# Altium PCB OpenRec.PcbDoc (part 4 of 4)
Units mm, origin at the board's own origin, x right, y up, seen from the top; angles counter-clockwise.
Board outline 70 x 95 mm, 10 copper layers (L1, L2, L3, L4 (PWR), L5 (PWR), L6 (PWR), L7 (PWR), L8, L9, L10), stack 1.632 mm thick; 1080 components, 708 nets, 3831 pads, 534 vias.
Unrouted connection lines stored in the file: 2907.
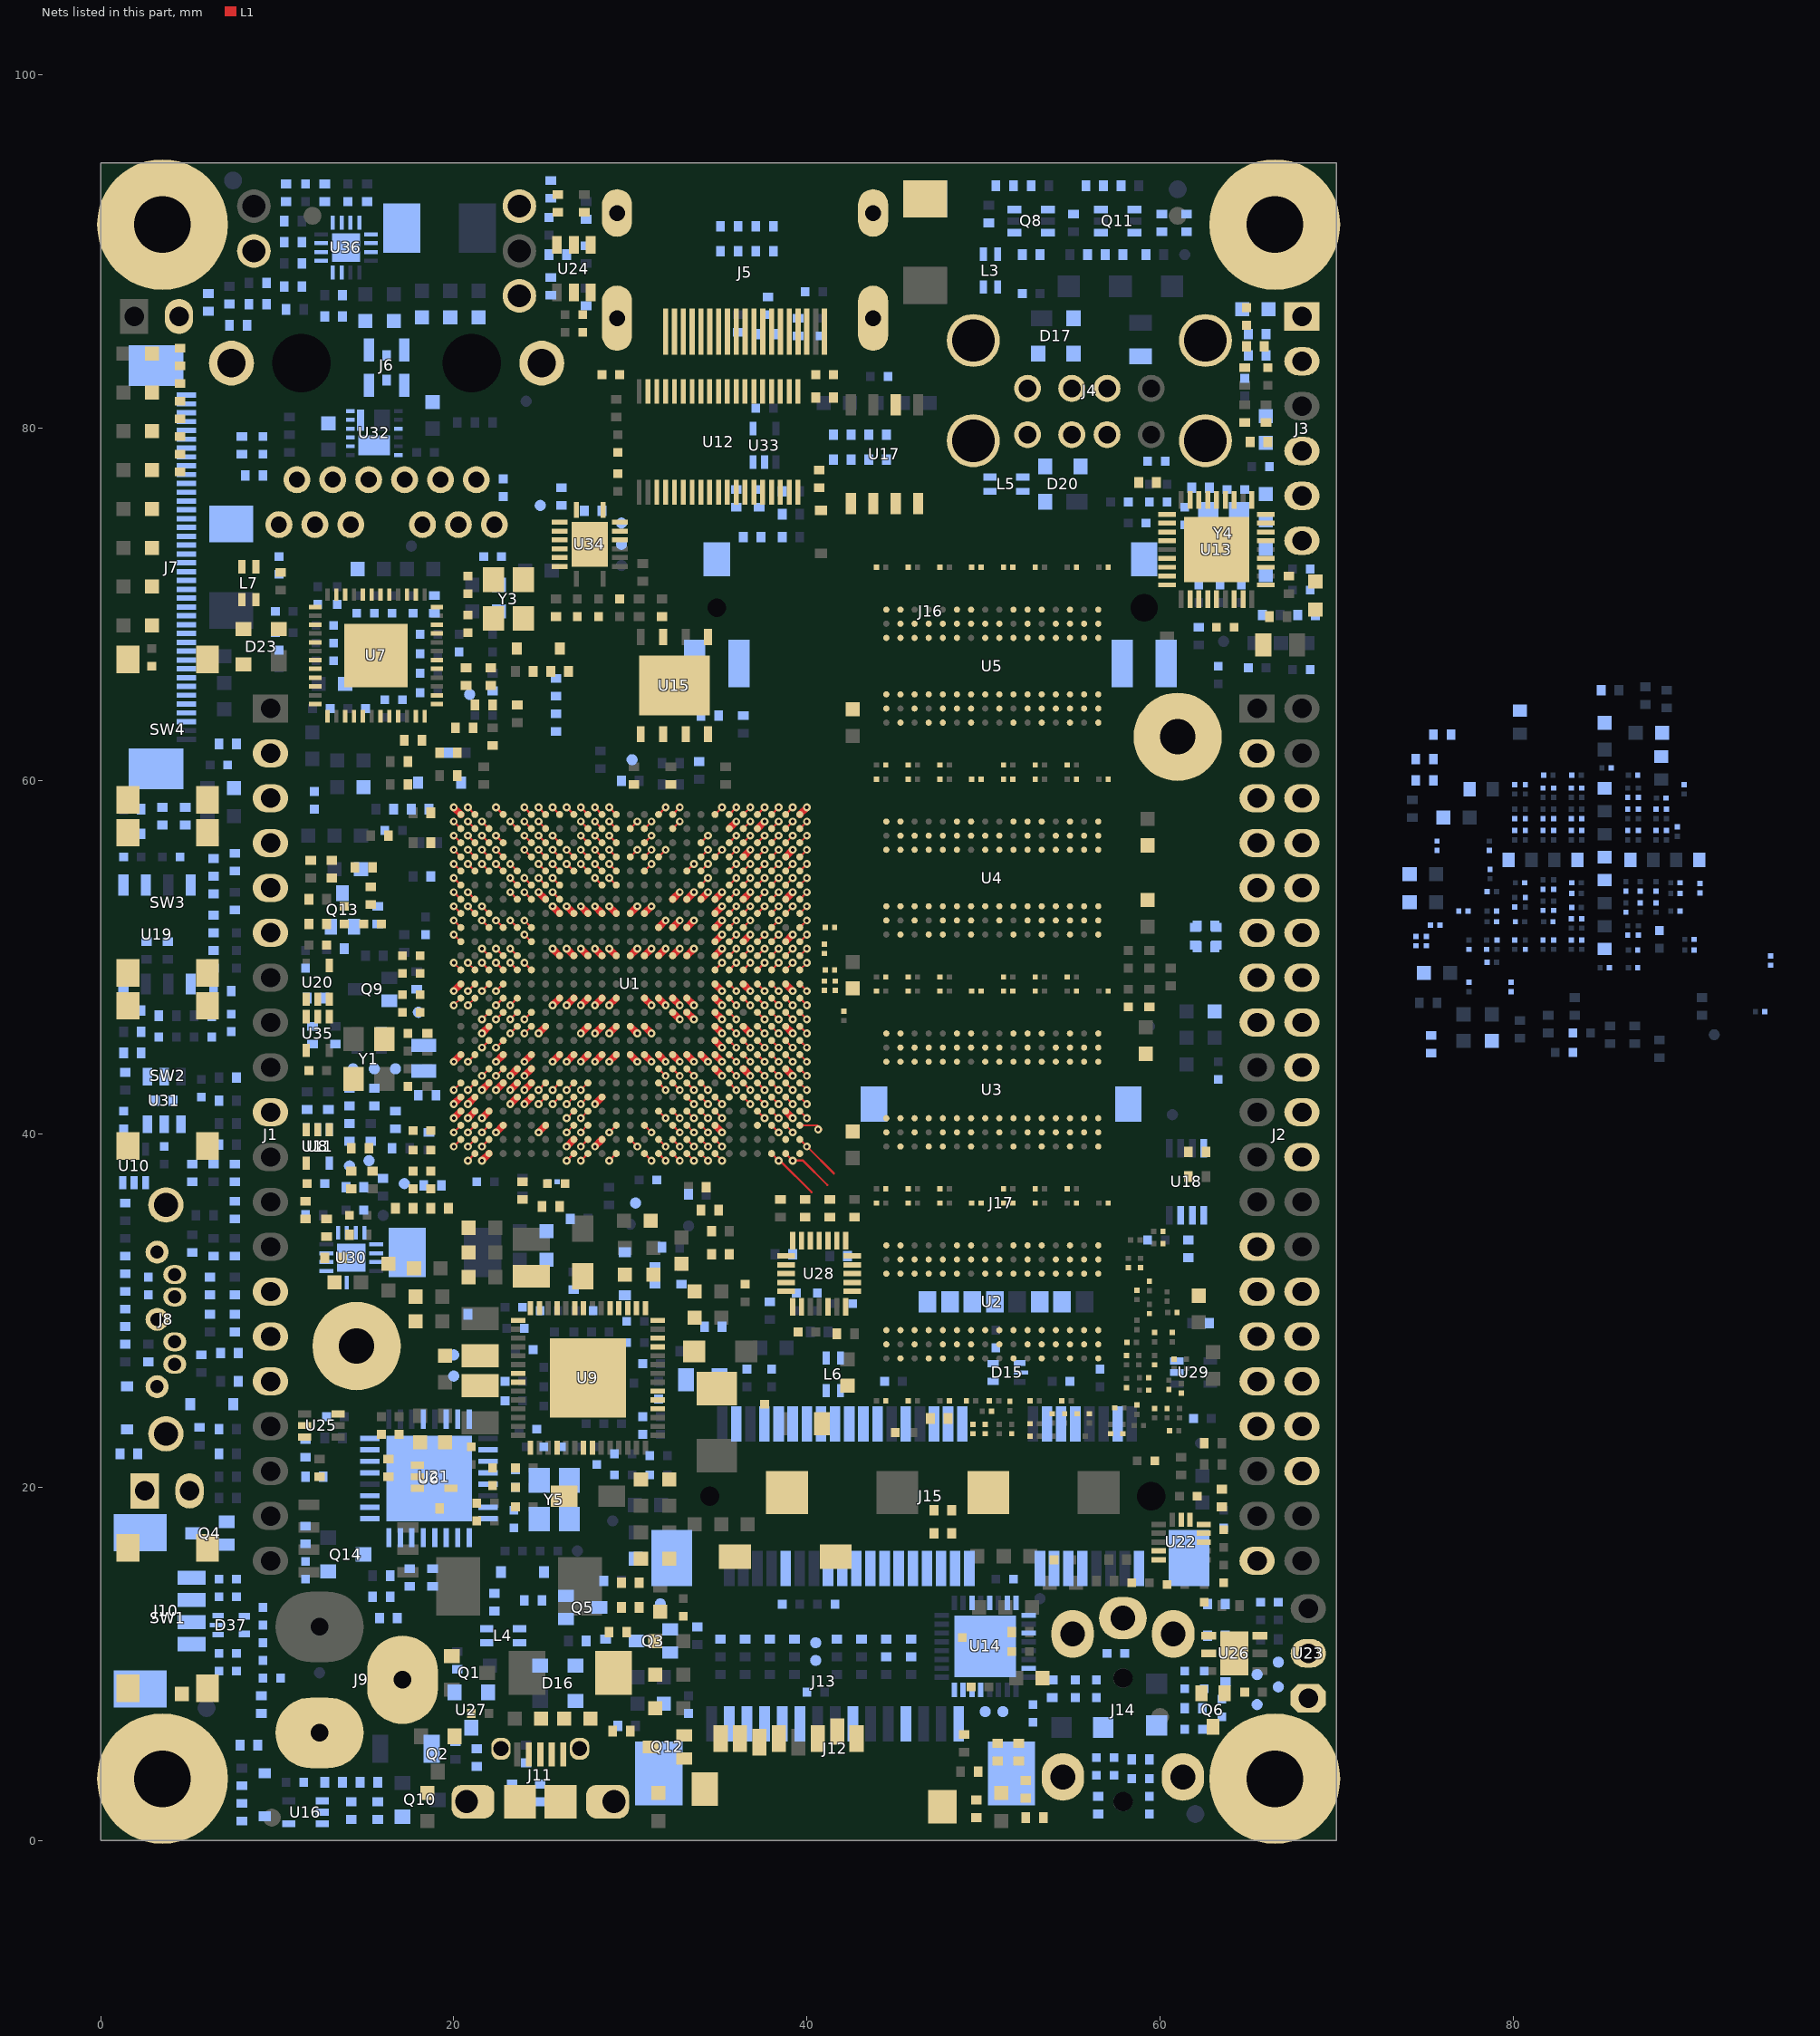
[diagram p6: the nets of this part, all layers, seen from the top]

## Via types
v1: diameter 0.45, hole 0.2, L1 to L10, 534 vias

## Nets (pads, with @x,y where several pads share a name; then routed paths per layer and width w, separated by ;. In a path a pad name is that pad's centre, name@x,y a point inside that pad or via, vN(x,y) a via of type N, cw(c..) or ccw(c..) an arc to the next point about the centre after c; other vN are vias at no path point) (continued)
CSPI3_CLK_R: R131.1 U1.P24 | length 0.6
  L1 w0.12: U1.P24@30.8,57.3 v1(31.2,57.7)
CSPI3_CS0: R364.2 TP25.1 U1.P21 U34.7 | length 0.6
  L1 w0.12: U1.P21@30.8,54.9 v1(31.2,55.3)
CSPI3_CS2: TP28.1 U1.R25 U15.1 | length 0.6
  L1 w0.12: U1.R25@31.6,58.1 v1(32,58.5)
CSPI3_MCU_CLK: R361.1 U6.19 U34.13
CSPI3_MCU_CS0: R364.1 U6.8 U34.10
CSPI3_MCU_ENN: R319.1 U1.M25 U34.14 U34.15 | length 0.6
  L1 w0.12: v1(28.8,58.5) U1.M25@29.2,58.1
CSPI3_MCU_MISO: R363.1 U6.17 U34.6
CSPI3_MCU_MOSI: R362.1 U6.18 U34.12
CSPI3_MISO: R363.2 TP23.1 U1.P23 U15.2 U34.11 | length 0.6
  L1 w0.12: U1.P23@30.8,56.5 v1(31.2,56.9)
CSPI3_MOSI: R362.2 TP22.1 U1.P22 U15.5 U34.5 | length 0.6
  L1 w0.12: U1.P22@30.8,55.7 v1(31.2,56.1)
DRAM0_ZQ: R4.2 U2.L8
DRAM0_ZQ1: R306.2 U2.L9
DRAM1_ZQ: R5.2 U3.L8
DRAM1_ZQ1: R307.2 U3.L9
DRAM2_ZQ: R8.2 U4.L8
DRAM2_ZQ1: R308.2 U4.L9
DRAM3_ZQ: R9.2 U5.L8
DRAM3_ZQ1: R309.2 U5.L9
DRAM_A0: R1.1 U1.AC14 U2.N3 U3.N3 U4.N3 U5.N3 | length 0.6
  L1 w0.12: U1.AC14@38,49.3 v1(38.4,49.7)
DRAM_A1: R3.1 U1.AB14 U2.P7 U3.P7 U4.P7 U5.P7 | length 0.6
  L1 w0.12: U1.AB14@37.2,49.3 v1(37.6,49.7)
DRAM_A2: R12.1 U1.AA14 U2.P3 U3.P3 U4.P3 U5.P3 | length 0.6
  L1 w0.12: U1.AA14@36.4,49.3 v1(36.8,49.7)
DRAM_A3: R31.1 U1.Y14 U2.N2 U3.N2 U4.N2 U5.N2 | length 0.6
  L1 w0.12: U1.Y14@35.6,49.3 v1(36,49.7)
DRAM_A4: R38.1 U1.W14 U2.P8 U3.P8 U4.P8 U5.P8 | length 0.6
  L1 w0.12: U1.W14@34.8,49.3 v1(35.2,49.7)
DRAM_A5: R40.1 U1.AE13 U2.P2 U3.P2 U4.P2 U5.P2 | length 0.6
  L1 w0.12: U1.AE13@39.6,48.5 v1(40,48.1)
DRAM_A6: R44.1 U1.AC13 U2.R8 U3.R8 U4.R8 U5.R8 | length 0.6
  L1 w0.12: U1.AC13@38,48.5 v1(38.4,48.1)
DRAM_A7: R50.1 U1.Y13 U2.R2 U3.R2 U4.R2 U5.R2 | length 0.6
  L1 w0.12: U1.Y13@35.6,48.5 v1(36,48.1)
DRAM_A8: R72.1 U1.AB13 U2.T8 U3.T8 U4.T8 U5.T8 | length 0.6
  L1 w0.12: U1.AB13@37.2,48.5 v1(37.6,48.1)
DRAM_A9: R79.1 U1.AE12 U2.R3 U3.R3 U4.R3 U5.R3 | length 0.6
  L1 w0.12: U1.AE12@39.6,47.7 v1(40,47.3)
DRAM_A10: R103.1 U1.AA15 U2.L7 U3.L7 U4.L7 U5.L7 | length 0.6
  L1 w0.12: U1.AA15@36.4,50.1 v1(36.8,50.5)
DRAM_A11: R105.1 U1.AC12 U2.R7 U3.R7 U4.R7 U5.R7 | length 0.6
  L1 w0.12: U1.AC12@38,47.7 v1(38.4,47.3)
DRAM_A12: R106.1 U1.AD12 U2.N7 U3.N7 U4.N7 U5.N7 | length 0.6
  L1 w0.12: U1.AD12@38.8,47.7 v1(39.2,47.3)
DRAM_A13: R107.1 U1.AC17 U2.T3 U3.T3 U4.T3 U5.T3 | length 0.6
  L1 w0.12: U1.AC17@38,51.7 v1(38.4,52.1)
DRAM_A14: R108.1 U1.AA12 U2.T7 U3.T7 U4.T7 U5.T7 | length 0.6
  L1 w0.12: U1.AA12@36.4,47.7 v1(36.8,47.3)
DRAM_A15: R111.1 U1.Y12 U2.M7 U3.M7 U4.M7 U5.M7 | length 0.6
  L1 w0.12: U1.Y12@35.6,47.7 v1(36,47.3)
DRAM_CAS_B: R39.1 U1.AE16 U2.K3 U3.K3 U4.K3 U5.K3 | length 0.6
  L1 w0.12: U1.AE16@39.6,50.9 v1(40,51.3)
DRAM_CLK0_N: C327.2 R112.2 U1.AE15 U2.K7 U3.K7 U4.K7 U5.K7 | length 0.6
  L1 w0.1: U1.AE15@39.6,50.1 v1(40,50.5)
DRAM_CLK0_P: C327.1 R253.2 U1.AD15 U2.J7 U3.J7 U4.J7 U5.J7 | length 0.6
  L1 w0.1: U1.AD15@38.8,50.1 v1(39.2,50.5)
DRAM_CLK0_T_CAP: C322.1 R112.1 R253.1
DRAM_CLK1_N: C328.2 R113.2 U1.AE14 | length 0.6
  L1 w0.1: U1.AE14@39.6,49.3 v1(40,49.7)
DRAM_CLK1_P: C328.1 R256.2 U1.AD14 | length 0.6
  L1 w0.1: U1.AD14@38.8,49.3 v1(39.2,49.7)
DRAM_CLK1_T_CAP: C323.1 R113.1 R256.1
DRAM_CS0_B: R66.1 U1.Y16 U2.L2 U3.L2 U4.L2 U5.L2 | length 0.6
  L1 w0.12: U1.Y16@35.6,50.9 v1(36,51.3)
DRAM_D0: U1.AD2 U2.E3
DRAM_D1: U1.AE2 U2.H3 | length 2.7
  L1 w0.12: U1.AE2@39.6,39.7 v1(40,39.3) 41.529,37.771
DRAM_D2: U1.AC4 U2.H7 | length 0.6
  L1 w0.12: U1.AC4@38,41.3 v1(38.4,40.9)
DRAM_D3: U1.AA5 U2.F8 | length 0.6
  L1 w0.12: U1.AA5@36.4,42.1 v1(36.8,41.7)
DRAM_D4: U1.AC1 U2.F2 | length 3.2
  L1 w0.12: U1.AC1@38,38.9 v1(38.4,38.5) 38.476,38.5 40.259,36.717 40.259,36.703
DRAM_D5: U1.AD1 U2.G2 | length 3.1
  L1 w0.12: U1.AD1@38.8,38.9 v1(39.2,38.5) 39.783,38.5 41.162,37.121
DRAM_D6: U1.AB4 U2.F7 | length 0.6
  L1 w0.12: U1.AB4@37.2,41.3 v1(37.6,40.9)
DRAM_D7: U1.AE4 U2.H8 | length 0.6
  L1 w0.12: U1.AE4@39.6,41.3 v1(40,40.9)
DRAM_D8: U1.AD5 U2.D7 | length 0.6
  L1 w0.12: U1.AD5@38.8,42.1 v1(39.2,41.7)
DRAM_D9: U1.AE5 U2.C3 | length 0.6
  L1 w0.12: U1.AE5@39.6,42.1 v1(40,41.7)
DRAM_D10: U1.AA6 U2.B8 | length 0.6
  L1 w0.12: U1.AA6@36.4,42.9 v1(36.8,42.5)
DRAM_D11: U1.AE7 U2.C8 | length 0.6
  L1 w0.12: U1.AE7@39.6,43.7 v1(40,43.3)
DRAM_D12: U1.AB5 U2.C2 | length 0.6
  L1 w0.12: U1.AB5@37.2,42.1 v1(37.6,41.7)
DRAM_D13: U1.AC5 U2.A3 | length 0.6
  L1 w0.12: U1.AC5@38,42.1 v1(38.4,41.7)
DRAM_D14: U1.AB6 U2.A2 | length 0.6
  L1 w0.12: U1.AB6@37.2,42.9 v1(37.6,42.5)
DRAM_D15: U1.AC7 U2.A7 | length 0.6
  L1 w0.12: U1.AC7@38,43.7 v1(38.4,43.3)
DRAM_D16: U1.AB7 U3.E3 | length 0.6
  L1 w0.12: U1.AB7@37.2,43.7 v1(37.6,43.3)
DRAM_D17: U1.AA8 U3.F7 | length 0.6
  L1 w0.12: U1.AA8@36.4,44.5 v1(36.8,44.1)
DRAM_D18: U1.AB9 U3.H3 | length 0.6
  L1 w0.12: U1.AB9@37.2,45.3 v1(37.6,44.9)
DRAM_D19: U1.Y9 U3.H8 | length 0.6
  L1 w0.12: U1.Y9@35.6,45.3 v1(36,44.9)
DRAM_D20: U1.Y7 U3.G2 | length 0.6
  L1 w0.12: U1.Y7@35.6,43.7 v1(36,43.3)
DRAM_D21: U1.Y8 U3.F8 | length 0.6
  L1 w0.12: U1.Y8@35.6,44.5 v1(36,44.1)
DRAM_D22: U1.AC8 U3.F2 | length 0.6
  L1 w0.12: U1.AC8@38,44.5 v1(38.4,44.1)
DRAM_D23: U1.AA9 U3.H7 | length 0.6
  L1 w0.12: U1.AA9@36.4,45.3 v1(36.8,44.9)
DRAM_D24: U1.AE9 U3.D7 | length 0.6
  L1 w0.12: U1.AE9@39.6,45.3 v1(40,44.9)
DRAM_D25: U1.Y10 U3.A2 | length 0.6
  L1 w0.12: U1.Y10@35.6,46.1 v1(36,45.7)
DRAM_D26: U1.AE11 U3.B8 | length 0.6
  L1 w0.12: U1.AE11@39.6,46.9 v1(40,46.5)
DRAM_D27: U1.AB11 U3.C2 | length 0.6
  L1 w0.12: U1.AB11@37.2,46.9 v1(37.6,46.5)
DRAM_D28: U1.AC9 U3.C3 | length 0.6
  L1 w0.12: U1.AC9@38,45.3 v1(38.4,44.9)
DRAM_D29: U1.AD9 U3.A7 | length 0.6
  L1 w0.12: U1.AD9@38.8,45.3 v1(39.2,44.9)
DRAM_D30: U1.AD11 U3.C8 | length 0.6
  L1 w0.12: U1.AD11@38.8,46.9 v1(39.2,46.5)
DRAM_D31: U1.AC11 U3.A3 | length 0.6
  L1 w0.12: U1.AC11@38,46.9 v1(38.4,46.5)
DRAM_D32: U1.AA17 U4.E3 | length 0.6
  L1 w0.12: U1.AA17@36.4,51.7 v1(36.8,52.1)
DRAM_D33: U1.AA18 U4.H3 | length 0.6
  L1 w0.12: U1.AA18@36.4,52.5 v1(36.8,52.9)
DRAM_D34: U1.AC18 U4.F7 | length 0.6
  L1 w0.12: U1.AC18@38,52.5 v1(38.4,52.9)
DRAM_D35: U1.AE19 U4.H7 | length 0.6
  L1 w0.12: U1.AE19@39.6,53.3 v1(40,53.7)
DRAM_D36: U1.Y17 U4.G2 | length 0.6
  L1 w0.12: U1.Y17@35.6,51.7 v1(36,52.1)
DRAM_D37: U1.Y18 U4.F2 | length 0.6
  L1 w0.12: U1.Y18@35.6,52.5 v1(36,52.9)
DRAM_D38: U1.AB19 U4.F8 | length 0.6
  L1 w0.12: U1.AB19@37.2,53.3 v1(37.6,53.7)
DRAM_D39: U1.AC19 U4.H8 | length 0.6
  L1 w0.12: U1.AC19@38,53.3 v1(38.4,53.7)
DRAM_D40: U1.Y19 U4.D7 | length 0.6
  L1 w0.12: U1.Y19@35.6,53.3 v1(36,53.7)
DRAM_D41: U1.AB20 U4.C2 | length 0.6
  L1 w0.12: U1.AB20@37.2,54.1 v1(37.6,54.5)
DRAM_D42: U1.AB21 U4.A7 | length 0.6
  L1 w0.12: U1.AB21@37.2,54.9 v1(37.6,55.3)
DRAM_D43: U1.AD21 U4.C8 | length 0.6
  L1 w0.12: U1.AD21@38.8,54.9 v1(39.2,55.3)
DRAM_D44: U1.Y20 U4.A2 | length 0.6
  L1 w0.12: U1.Y20@35.6,54.1 v1(36,54.5)
DRAM_D45: U1.AA20 U4.A3 | length 0.6
  L1 w0.12: U1.AA20@36.4,54.1 v1(36.8,54.5)
DRAM_D46: U1.AE21 U4.B8 | length 0.6
  L1 w0.12: U1.AE21@39.6,54.9 v1(40,55.3)
DRAM_D47: U1.AC21 U4.C3 | length 0.6
  L1 w0.12: U1.AC21@38,54.9 v1(38.4,55.3)
DRAM_D48: U1.AC22 U5.E3 | length 0.6
  L1 w0.12: U1.AC22@38,55.7 v1(38.4,56.1)
DRAM_D49: U1.AE22 U5.G2 | length 0.6
  L1 w0.12: U1.AE22@39.6,55.7 v1(40,56.1)
DRAM_D50: U1.AE24 U5.H7 | length 0.6
  L1 w0.12: U1.AE24@39.6,57.3 v1(40,57.7)
DRAM_D51: U1.AC24 U5.F8 | length 0.6
  L1 w0.12: U1.AC24@38,57.3 v1(38.4,57.7)
DRAM_D52: U1.AB22 U5.F2 | length 0.6
  L1 w0.12: U1.AB22@37.2,55.7 v1(37.6,56.1)
DRAM_D53: U1.AC23 U5.H3 | length 0.6
  L1 w0.12: U1.AC23@38,56.5 v1(38.4,56.9)
DRAM_D54: U1.AD25 U5.F7 | length 0.6
  L1 w0.12: U1.AD25@38.8,58.1 v1(39.2,58.5)
DRAM_D55: U1.AC25 U5.H8 | length 0.6
  L1 w0.12: U1.AC25@38,58.1 v1(38.4,58.5)
DRAM_D56: U1.AB25 U5.D7 | length 0.6
  L1 w0.12: U1.AB25@37.2,58.1 v1(37.6,58.5)
DRAM_D57: U1.AA21 U5.C2 | length 0.6
  L1 w0.12: U1.AA21@36.4,54.9 v1(36.8,55.3)
DRAM_D58: U1.Y25 U5.B8 | length 0.6
  L1 w0.12: U1.Y25@35.6,58.1 v1(36,58.5)
DRAM_D59: U1.Y22 U5.A2 | length 0.6
  L1 w0.12: U1.Y22@35.6,55.7 v1(36,56.1)
DRAM_D60: U1.AB23 U5.C3 | length 0.6
  L1 w0.12: U1.AB23@37.2,56.5 v1(37.6,56.9)
DRAM_D61: U1.AA23 U5.A3 | length 0.6
  L1 w0.12: U1.AA23@36.4,56.5 v1(36.8,56.9)
DRAM_D62: U1.Y23 U5.A7 | length 0.6
  L1 w0.12: U1.Y23@35.6,56.5 v1(36,56.9)
DRAM_D63: U1.W25 U5.C8 | length 0.6
  L1 w0.12: U1.W25@34.8,58.1 v1(35.2,58.5)
DRAM_DQM0: U1.AC3 U2.E7 | length 0.6
  L1 w0.12: U1.AC3@38,40.5 v1(38.4,40.1)
DRAM_DQM1: U1.AC6 U2.D3 | length 0.6
  L1 w0.12: U1.AC6@38,42.9 v1(38.4,42.5)
DRAM_DQM2: U1.AB8 U3.E7 | length 0.6
  L1 w0.12: U1.AB8@37.2,44.5 v1(37.6,44.1)
DRAM_DQM3: U1.AE10 U3.D3 | length 0.6
  L1 w0.12: U1.AE10@39.6,46.1 v1(40,45.7)
DRAM_DQM4: U1.AB18 U4.E7 | length 0.6
  L1 w0.12: U1.AB18@37.2,52.5 v1(37.6,52.9)
DRAM_DQM5: U1.AC20 U4.D3 | length 0.6
  L1 w0.12: U1.AC20@38,54.1 v1(38.4,54.5)
DRAM_DQM6: U1.AD24 U5.E7 | length 0.6
  L1 w0.12: U1.AD24@38.8,57.3 v1(39.2,57.7)
DRAM_DQM7: U1.Y21 U5.D3 | length 0.6
  L1 w0.12: U1.Y21@35.6,54.9 v1(36,55.3)
DRAM_DQS0_N: U1.AD3 U2.G3 | length 0.6
  L1 w0.1: U1.AD3@38.8,40.5 v1(39.2,40.1)
DRAM_DQS0_P: U1.AE3 U2.F3 | length 1.5
  L1 w0.1: U1.AE3@39.6,40.5 40.6,40.5 40.74,40.359 40.841,40.259 v1(40.64,40.259)
DRAM_DQS1_N: U1.AE6 U2.B7 | length 0.6
  L1 w0.1: U1.AE6@39.6,42.9 v1(40,42.5)
DRAM_DQS1_P: U1.AD6 U2.C7 | length 0.6
  L1 w0.1: U1.AD6@38.8,42.9 v1(39.2,42.5)
DRAM_DQS2_N: U1.AE8 U3.G3 | length 0.6
  L1 w0.1: U1.AE8@39.6,44.5 v1(40,44.1)
DRAM_DQS2_P: U1.AD8 U3.F3 | length 0.6
  L1 w0.1: U1.AD8@38.8,44.5 v1(39.2,44.1)
DRAM_DQS3_N: U1.AB10 U3.B7 | length 0.6
  L1 w0.1: U1.AB10@37.2,46.1 v1(37.6,45.7)
DRAM_DQS3_P: U1.AC10 U3.C7 | length 0.6
  L1 w0.1: U1.AC10@38,46.1 v1(38.4,45.7)
DRAM_DQS4_N: U1.AE18 U4.G3 | length 0.6
  L1 w0.1: U1.AE18@39.6,52.5 v1(40,52.9)
DRAM_DQS4_P: U1.AD18 U4.F3 | length 0.6
  L1 w0.1: U1.AD18@38.8,52.5 v1(39.2,52.9)
DRAM_DQS5_N: U1.AE20 U4.B7 | length 0.6
  L1 w0.1: U1.AE20@39.6,54.1 v1(40,54.5)
DRAM_DQS5_P: U1.AD20 U4.C7 | length 0.6
  L1 w0.1: U1.AD20@38.8,54.1 v1(39.2,54.5)
DRAM_DQS6_N: U1.AE23 U5.G3 | length 0.6
  L1 w0.1: U1.AE23@39.6,56.5 v1(40,56.9)
DRAM_DQS6_P: U1.AD23 U5.F3 | length 0.6
  L1 w0.1: U1.AD23@38.8,56.5 v1(39.2,56.9)
DRAM_DQS7_N: U1.AA24 U5.B7 | length 0.6
  L1 w0.1: U1.AA24@36.4,57.3 v1(36.8,57.7)
DRAM_DQS7_P: U1.AA25 U5.C7 | length 0.6
  L1 w0.1: U1.AA25@36.4,58.1 v1(36.8,58.5)
DRAM_RAS_B: R34.1 U1.AB15 U2.J3 U3.J3 U4.J3 U5.J3 | length 0.6
  L1 w0.12: U1.AB15@37.2,50.1 v1(37.6,50.5)
DRAM_RESET_B: R7.2 U1.Y6 U2.T2 U3.T2 U4.T2 U5.T2 | length 0.6
  L1 w0.12: U1.Y6@35.6,42.9 v1(36,42.5)
DRAM_SDBA0: R2.1 U1.AC15 U2.M2 U3.M2 U4.M2 U5.M2 | length 0.6
  L1 w0.12: U1.AC15@38,50.1 v1(38.4,50.5)
DRAM_SDBA1: R11.1 U1.Y15 U2.N8 U3.N8 U4.N8 U5.N8 | length 0.6
  L1 w0.12: U1.Y15@35.6,50.1 v1(36,50.5)
DRAM_SDBA2: R22.1 U1.AB12 U2.M3 U3.M3 U4.M3 U5.M3 | length 0.6
  L1 w0.12: U1.AB12@37.2,47.7 v1(37.6,47.3)
DRAM_SDCKE0: R6.2 R45.1 U1.Y11 U2.K9 U3.K9 U4.K9 U5.K9 | length 0.6
  L1 w0.12: U1.Y11@35.6,46.9 v1(36,46.5)
DRAM_SDODT0: R77.1 U1.AC16 U2.K1 U3.K1 U4.K1 U5.K1 | length 0.6
  L1 w0.12: U1.AC16@38,50.9 v1(38.4,51.3)
DRAM_WE_B: R42.1 U1.AB16 U2.L3 U3.L3 U4.L3 U5.L3 | length 0.6
  L1 w0.12: U1.AB16@37.2,50.9 v1(37.6,51.3)
EEPROM_WP: R114.1 R115.1 U18.7
EN_1V375: R340.1 R341.1 U30.5
EN_3V3_HDR: R403.2 R404.1 U36.5
ENET_LED_LINK: J6.13 R81.2
ENET_LED_RX: R82.2 R287.2 R288.2
ENET_LED_RX_G: J6.17 R288.1
ENET_LED_RX_O: J6.15 R287.1
ENET_REF_CLK: R181.2 U1.V22 | length 0.6
  L1 w0.12: U1.V22@34,55.7 v1(34.4,56.1)
ENET_REF_CLK_R: R30.2 R181.1 U7.41
ETH_ISET: R84.1 U7.48
ETH_OSCI_25MHZ: C175.1 U7.46 Y3.3
ETH_OSCO_25MHZ: C176.1 U7.45 Y3.1
FB_1V375: C410.1 R336.1 R339.2 U30.9
FB_3V3_HDR: C432.1 R399.1 R402.2 U36.9
FIL_HP_OUTL: C287.1 FB22.2 J14.3 J14.4
FIL_HP_OUTR: C286.1 FB21.2 J14.2
FIL_MIC_IN: C295.1 FB18.2 J14.1
FLEXCAN1_RX: R412.1 U1.D14 U20.4 | length 0.6
  L1 w0.12: v1(22.4,49.7) U1.D14@22.8,49.3
FLEXCAN1_RX_BUFF: R117.1 R412.2 U19.4 U20.1 U20.2
FLEXCAN1_STBY: Q13.1 R280.1 R413.1 U1.D15 | length 0.6
  L1 w0.12: v1(22.4,50.5) U1.D15@22.8,50.1
FLEXCAN1_STBY_Q: Q13.3 R250.2 R382.1 R413.2 U19.8
FLEXCAN1_TX: R411.1 U1.B13 U35.1 U35.2 | length 0.6
  L1 w0.12: v1(20.8,48.1) U1.B13@21.2,48.5
FLEXCAN1_TX_BUFF: R41.1 R411.2 U19.1 U35.4
FLEXCAN2_RX: J2.16 U1.F14 | length 0.6
  L1 w0.12: v1(24,49.7) U1.F14@24.4,49.3
FLEXCAN2_TX: J2.15 U1.E14 | length 0.6
  L1 w0.12: v1(23.2,49.7) U1.E14@23.6,49.3
FS_1V375: R334.1 R337.2 U30.6
FS_3V3_HDR: R397.1 R400.2 U36.6
GND: C1.2 C2.2 C3.2 C4.2 C5.2 C6.2 C7.2 C8.2 C9.2 C10.2 C11.2 C12.2 C19.2 C21.2 C22.2 C23.2 C24.2 C25.2 C26.2 C27.2 C28.2 C29.2 C30.2 C31.2 C32.2 C33.2 C34.2 C35.2 C36.2 C37.2 C38.2 C39.2 C40.2 C41.2 C42.2 C43.2 C44.2 C45.2 C46.2 C47.2 C48.2 C49.2 C50.2 C51.2 C52.2 C53.2 C54.2 C55.2 C56.2 C57.2 C58.2 C59.2 C60.2 C61.2 C62.2 C64.2 C68.2 C73.2 C75.2 C76.2 C77.2 C78.2 C79.2 C80.2 C81.2 C82.2 C83.2 C84.2 C87.2 C88.2 C89.2 C90.2 C91.2 C92.2 C93.2 C94.2 C95.2 C96.2 C97.2 C98.2 C99.2 C100.2 C101.2 C102.2 C103.2 C104.2 C105.2 C106.2 C107.2 C108.2 C109.2 C110.2 C111.2 C112.2 C113.2 C114.2 C115.2 C116.2 C117.2 C118.2 C119.2 C120.2 C121.2 C122.2 C123.2 C124.2 C125.2 C126.2 C127.2 C128.2 C129.2 C130.2 C131.2 C132.2 C133.2 C134.2 C135.2 C136.2 C137.2 C138.2 C139.2 C140.2 C141.2 C142.2 C143.2 C144.2 C145.2 C146.2 C147.2 C148.2 C149.2 C150.2 C151.2 C152.2 C153.2 C154.2 C155.2 C156.2 C157.2 C158.2 C159.2 C160.2 C161.2 C162.2 C163.2 C164.2 C165.2 C166.2 C167.2 C168.2 C169.2 C170.2 C171.2 C172.2 C173.2 C174.2 C175.2 C176.2 C177.2 C178.2 C179.2 C180.2 C181.2 C182.2 C183.2 C184.2 C185.2 C186.2 C187.2 C188.2 C189.2 C190.2 C191.2 C192.2 C193.2 C194.2 C195.2 C196.2 C197.2 C198.2 C199.2 C200.2 C201.2 C202.2 C203.2 C204.2 C205.2 C207.2 C208.2 C209.2 C210.2 C211.2 C212.2 C213.2 C214.2 C215.2 C216.2 C217.2 C218.2 C219.2 C220.2 C221.2 C222.2 C223.1 C224.1 C225.2 C226.2 C227.2 C228.2 C229.2 C230.1 C231.2 C232.2 C233.2 C234.2 C235.2 C236.2 C237.2 C238.2 C239.2 C240.2 C242.2 C243.2 C244.2 C245.1 C246.2 C247.2 C248.2 C249.2 C250.2 C251.1 C252.2 C253.2 C254.2 C255.2 C256.2 C257.2 C258.2 C259.2 C260.2 C261.2 C262.2 C263.2 C264.2 C265.2 C266.2 C267.2 C268.2 C269.2 C270.2 C271.1 C272.1 C273.2 C274.1 C275.1 C276.1 C277.2 C278.2 C279.2 C280.2 C281.2 C282.2 C283.2 C286.2 C287.2 C288.2 C289.2 C292.2 C293.2 C295.2 C296.2 C297.2 C298.1 C299.2 C300.2 C301.2 C302.2 C303.2 C304.2 C305.2 C306.2 C307.2 C308.2 C309.1 C310.2 C311.2 C312.2 C313.2 C314.2 C315.2 C316.2 C317.2 C318.2 C319.2 C320.2 C321.2 C324.1 C325.2 C326.1 C329.2 C330.2 C331.2 C332.2 C333.2 C334.2 C335.2 C336.2 C337.2 C338.2 C339.2 C341.2 C342.2 C343.2 C344.2 C345.2 C346.2 C347.2 C348.2 C349.2 C350.2 C351.2 C352.2 C353.2 C354.2 C355.2 C356.2 C357.2 C358.2 C359.2 C360.2 C361.2 C362.2 C363.2 C364.2 C365.2 C366.2 C367.2 C368.2 C369.2 C370.2 C371.2 C372.2 C373.2 C374.2 C375.2 C376.2 C377.2 C378.2 C379.2 C380.2 C381.2 C382.2 C383.2 C384.2 C385.2 C386.2 C387.2 C388.2 C389.2 C391.2 C393.2 C394.2 C395.2 C396.2 C397.2 C398.2 C399.2 C400.2 C401.2 C402.2 C403.2 C404.2 C405.2 C406.2 C407.2 C408.2 C409.2 C412.2 C413.2 C414.2 C415.2 C416.2 C417.2 C418.2 C419.2 C420.2 C421.2 C422.2 C423.2 C424.2 C425.2 C426.2 C427.2 C428.2 C429.2 C430.2 C431.2 C434.2 C435.2 C436.2 C437.2 D4.2 D8.2 D12.1 D15.2 D16.3 D17.3 D19.2 D20.3 D23.3 D31.2 D32.2 D37.2 J1.4 J1.10 J1.16 J2.6 J2.9 J2.14 J2.20 J2.25 J2.30 J2.34 J2.39 J3.1 J4.4 J4.8 J4.9 J4.10 J4.11 J4.12 J5.2 J5.5 J5.8 J5.11 J5.17 J5.MTG1 J5.MTG2 J5.MTG3 J5.MTG4 J6.18 J6.19 J7.3 J7.5 J7.8 J7.13 J7.18 J7.23 J7.28 J7.33 J7.38 J7.41 J7.42 J8.1 J8.4 J8.7 J8.8 J8.9 J9.2 J10.5 J10.6 J11.5 J11.6 J11.7 J11.8 J11.9 J11.10 J11.11 J12.1 J12.4 J12.7 J12.10 J12.16 J12.17 J13.6 J13.11 J13.12 J14.6 J15.4 J15.9 J15.15 J15.18 J15.21 J15.26 J15.27 J15.29 J15.34 J15.35 J15.37 J15.40 J15.43 J15.50 J15.53 J15.54 J16.1 J16.2 J16.3 J16.4 J16.5 J16.6 J17.C5 J17.G1 J17.G2 JP2.2 MH1.1 MH2.1 MH3.1 MH4.1 MH5.1 MH6.1 Q3.2 Q4.2 Q5.2 Q6.2 Q9.2 Q12.2 Q13.2 R4.1 R5.1 R6.1 R7.1 R8.1 R9.1 R10.2 R16.1 R17.1 R20.2 R26.1 R30.1 R32.1 R37.1 R47.1 R54.1 R56.1 R58.1 R61.1 R84.2 R99.1 R101.1 R102.1 R115.2 R139.1 R144.1 R157.1 R160.1 R163.1 R164.1 R166.1 R174.1 R175.1 R182.2 R191.1 R199.1 R205.1 R210.1 R211.1 R216.2 R220.1 R221.1 R222.2 R223.1 R224.1 R230.1 R231.1 R232.1 R233.1 R234.2 R237.1 R239.1 R250.1 R259.1 R265.1 R274.1 R296.1 R301.1 R303.1 R305.1 R306.1 R307.1 R308.1 R309.1 R310.1 R311.2 R316.2 R337.1 R338.1 R339.1 R342.1 R343.1 R344.1 R346.1 R393.1 R394.1 R395.1 R396.1 R400.1 R401.1 R402.1 R406.1 R407.1 R408.1 SW1.3 SW1.4 SW2.3 SW2.4 SW3.3 SW3.4 SW4.3 SW4.4 TP10.1 U1.A4 U1.A5 U1.A8 U1.A13 U1.A25 U1.AA7 U1.AA10 U1.AA13 U1.AA16 U1.AA19 U1.AA22 U1.AB3 U1.AB24 U1.AD4 U1.AD7 U1.AD10 U1.AD13 U1.AD16 U1.AD19 U1.AD22 U1.AE1 U1.AE25 U1.B4 U1.B5 U1.C1 U1.C4 U1.C6 U1.C10 U1.D3 U1.D6 U1.D8 U1.E5 U1.E6 U1.E7 U1.F5 U1.F6 U1.F7 U1.F8 U1.G3 U1.G10 U1.G19 U1.H8 U1.H12 U1.H15 U1.H18 U1.J2 U1.J8 U1.J12 U1.J15 U1.J18 U1.K8 U1.K10 U1.K12 U1.K15 U1.K18 U1.L2 U1.L5 U1.L8 U1.L10 U1.L12 U1.L15 U1.L18 U1.M8 U1.M10 U1.M12 U1.M15 U1.M18 U1.N8 U1.N10 U1.N15 U1.N18 U1.P8 U1.P10 U1.P12 U1.P15 U1.P18 U1.R8 U1.R12 U1.R15 U1.R17 U1.T8 U1.T11 U1.T12 U1.T15 U1.T17 U1.T19 U1.U8 U1.U11 U1.U12 U1.U15 U1.U17 U1.U19 U1.V8 U1.V19 U1.W3 U1.W7 U1.W8 U1.W9 U1.W10 U1.W11 U1.W12 U1.W13 U1.W15 U1.W16 U1.W17 U1.W18 U1.W19 U1.Y5 U1.Y24 U2.A9 U2.B1 U2.B3 U2.B9 U2.D1 U2.D8 U2.E1 U2.E2 U2.E8 U2.F9 U2.G1 U2.G8 U2.G9 U2.J2 U2.J8 U2.M1 U2.M9 U2.P1 U2.P9 U2.T1 U2.T9 U3.A9 U3.B1 U3.B3 U3.B9 U3.D1 U3.D8 U3.E1 U3.E2 U3.E8 U3.F9 U3.G1 U3.G8 U3.G9 U3.J2 U3.J8 U3.M1 U3.M9 U3.P1 U3.P9 U3.T1 U3.T9 U4.A9 U4.B1 U4.B3 U4.B9 U4.D1 U4.D8 U4.E1 U4.E2 U4.E8 U4.F9 U4.G1 U4.G8 U4.G9 U4.J2 U4.J8 U4.M1 U4.M9 U4.P1 U4.P9 U4.T1 U4.T9 U5.A9 U5.B1 U5.B3 U5.B9 U5.D1 U5.D8 U5.E1 U5.E2 U5.E8 U5.F9 U5.G1 U5.G8 U5.G9 U5.J2 U5.J8 U5.M1 U5.M9 U5.P1 U5.P9 U5.T1 U5.T9 U6.33 U7.13 U7.29 U7.49 U8.3 U9.5 U9.14 U9.15 U9.32 U9.48 U9.57 U10.3 U11.3 U12.3 U12.5 U12.8 U12.11 U12.14 U12.25 U12.28 U12.31 U12.34 U12.36 U13.11 U13.37 U14.1 U14.3 U14.7 U14.31 U14.32 U14.33 U15.4 U15.9 U16.3 U17.6 U18.4 U19.2 U20.3 U21.3 U22.5 U22.7 U22.12 U22.13 U23.2 U24.2 U25.2 U26.2 U26.7 U27.3 U28.1 U28.5 U28.6 U28.7 U28.8 U28.9 U28.10 U28.13 U28.14 U28.19 U28.20 U28.21 U28.22 U28.23 U28.24 U29.3 U30.10 U30.11 U30.12 U30.17 U31.2 U32.2 U32.12 U32.13 U33.3 U34.8 U34.9 U34.17 U35.3 U36.10 U36.11 U36.12 U36.17 Y1.2 Y1.4 Y3.2 Y3.4 Y4.2 Y4.4 Y5.2 Y5.4 | length 60
  L1 w0.4: v1(20,40.9) U1.A4@20.4,41.3 ; v1(20,41.7) U1.A5@20.4,42.1 ; v1(20,44.1) U1.A8@20.4,44.5 ; v1(20,48.1) U1.A13@20.4,48.5 ; v1(20,58.5) U1.A25@20.4,58.1 ; v1(20.8,40.9) U1.B4@21.2,41.3 ; v1(20.8,41.7) U1.B5@21.2,42.1 ; v1(21.6,38.5) U1.C1@22,38.9 ; v1(21.6,40.9) U1.C4@22,41.3 ; v1(21.6,42.5) U1.C6@22,42.9 ; v1(21.6,45.7) U1.C10@22,46.1 ; v1(22.4,40.1) U1.D3@22.8,40.5 ; v1(22.4,42.5) U1.D6@22.8,42.9 ; v1(22.4,44.1) U1.D8@22.8,44.5 ; v1(23.2,41.7) U1.E5@23.6,42.1 ; v1(23.2,42.5) U1.E6@23.6,42.9 ; v1(23.2,43.3) U1.E7@23.6,43.7 ; v1(24,41.7) U1.F5@24.4,42.1 ; v1(24,42.5) U1.F6@24.4,42.9 ; v1(24,43.3) U1.F7@24.4,43.7 ; v1(24,44.1) U1.F8@24.4,44.5 ; v1(24.8,40.1) U1.G3@25.2,40.5 ; v1(24.8,45.7) U1.G10@25.2,46.1 ; v1(24.8,53.7) U1.G19@25.2,53.3 ; v1(25.6,44.1) U1.H8@26,44.5 ; v1(25.6,47.3) U1.H12@26,47.7 ; v1(25.6,50.5) U1.H15@26,50.1 ; v1(25.6,52.9) U1.H18@26,52.5 ; v1(26.4,39.3) U1.J2@26.8,39.7 ; v1(26.4,44.1) U1.J8@26.8,44.5 ; v1(26.4,47.3) U1.J12@26.8,47.7 ; v1(26.4,50.5) U1.J15@26.8,50.1 ; v1(26.4,52.9) U1.J18@26.8,52.5 ; v1(27.2,44.1) U1.K8@27.6,44.5 ; v1(27.2,45.7) U1.K10@27.6,46.1 ; v1(27.2,47.3) U1.K12@27.6,47.7 ; v1(27.2,50.5) U1.K15@27.6,50.1 ; v1(27.2,52.9) U1.K18@27.6,52.5 ; v1(28,39.3) U1.L2@28.4,39.7 ; v1(28,41.7) U1.L5@28.4,42.1 ; v1(28,44.1) U1.L8@28.4,44.5 ; v1(28,45.7) U1.L10@28.4,46.1 ; v1(28,47.3) U1.L12@28.4,47.7 ; v1(28,50.5) U1.L15@28.4,50.1 ; v1(28,52.9) U1.L18@28.4,52.5 ; v1(28.8,44.1) U1.M8@29.2,44.5 ; v1(28.8,45.7) U1.M10@29.2,46.1 ; v1(28.8,47.3) U1.M12@29.2,47.7 ; v1(28.8,50.5) U1.M15@29.2,50.1 ; v1(28.8,52.9) U1.M18@29.2,52.5 ; U1.N8@30,44.5 v1(30.4,44.1) ; U1.N10@30,46.1 v1(30.4,45.7) ; U1.N15@30,50.1 v1(30.4,50.5) ; U1.N18@30,52.5 v1(30.4,52.9) ; U1.P8@30.8,44.5 v1(31.2,44.1) ; U1.P10@30.8,46.1 v1(31.2,45.7) ; U1.P12@30.8,47.7 v1(31.2,47.3) ; U1.P15@30.8,50.1 v1(31.2,50.5) ; U1.P18@30.8,52.5 v1(31.2,52.9) ; U1.R8@31.6,44.5 v1(32,44.1) ; U1.R12@31.6,47.7 v1(32,47.3) ; U1.R15@31.6,50.1 v1(32,50.5) ; U1.R17@31.6,51.7 v1(32,52.1) ; U1.T8@32.4,44.5 v1(32.8,44.1) ; U1.T11@32.4,46.9 v1(32.8,46.5) ; U1.T12@32.4,47.7 v1(32.8,47.3) ; U1.T15@32.4,50.1 v1(32.8,50.5) ; U1.T17@32.4,51.7 v1(32.8,52.1) ; U1.T19@32.4,53.3 v1(32.8,53.7) ; U1.U8@33.2,44.5 v1(33.6,44.1) ; U1.U11@33.2,46.9 v1(33.6,46.5) ; U1.U12@33.2,47.7 v1(33.6,47.3) ; U1.U15@33.2,50.1 v1(33.6,50.5) ; U1.U17@33.2,51.7 v1(33.6,52.1) ; U1.U19@33.2,53.3 v1(33.6,53.7) ; U1.V8@34,44.5 v1(34.4,44.1) ; U1.V19@34,53.3 v1(34.4,53.7) ; U1.W3@34.8,40.5 v1(35.2,40.1) ; U1.W7@34.8,43.7 v1(35.2,43.3) ; U1.W8@34.8,44.5 v1(35.2,44.1) ; U1.W9@34.8,45.3 v1(35.2,44.9) ; U1.W10@34.8,46.1 v1(35.2,45.7) ; U1.W11@34.8,46.9 v1(35.2,46.5) ; U1.W12@34.8,47.7 v1(35.2,47.3) ; U1.W13@34.8,48.5 v1(35.2,48.1) ; U1.W15@34.8,50.1 v1(35.2,50.5) ; U1.W16@34.8,50.9 v1(35.2,51.3) ; U1.W17@34.8,51.7 v1(35.2,52.1) ; U1.W18@34.8,52.5 v1(35.2,52.9) ; U1.W19@34.8,53.3 v1(35.2,53.7) ; U1.Y24@35.6,57.3 v1(36,57.7) ; U1.AA7@36.4,43.7 v1(36.8,43.3) ; U1.AA10@36.4,46.1 v1(36.8,45.7) ; U1.AA13@36.4,48.5 v1(36.8,48.1) ; U1.AA16@36.4,50.9 v1(36.8,51.3) ; U1.AA19@36.4,53.3 v1(36.8,53.7) ; U1.AA22@36.4,55.7 v1(36.8,56.1) ; U1.AB24@37.2,57.3 v1(37.6,57.7) ; U1.AD4@38.8,41.3 v1(39.2,40.9) ; U1.AD7@38.8,43.7 v1(39.2,43.3) ; U1.AD10@38.8,46.1 v1(39.2,45.7) ; U1.AD13@38.8,48.5 v1(39.2,48.1) ; U1.AD16@38.8,50.9 v1(39.2,51.3) ; U1.AD19@38.8,53.3 v1(39.2,53.7) ; U1.AD22@38.8,55.7 v1(39.2,56.1) ; U1.AE25@39.6,58.1 v1(40,58.5)